# Altium PCB ControllerV3.0.PcbDoc (part 2 of 2)
Units mm, origin at the board's own origin, x right, y up, seen from the top; angles counter-clockwise.
Board outline 52.02 x 50 mm, 6 copper layers (Top, Layer 1, Gnd, Signal, Layer 2, Bottom), stack 1.696 mm thick; 96 components, 87 nets, 385 pads, 235 vias.
Unrouted connection lines stored in the file: 72.
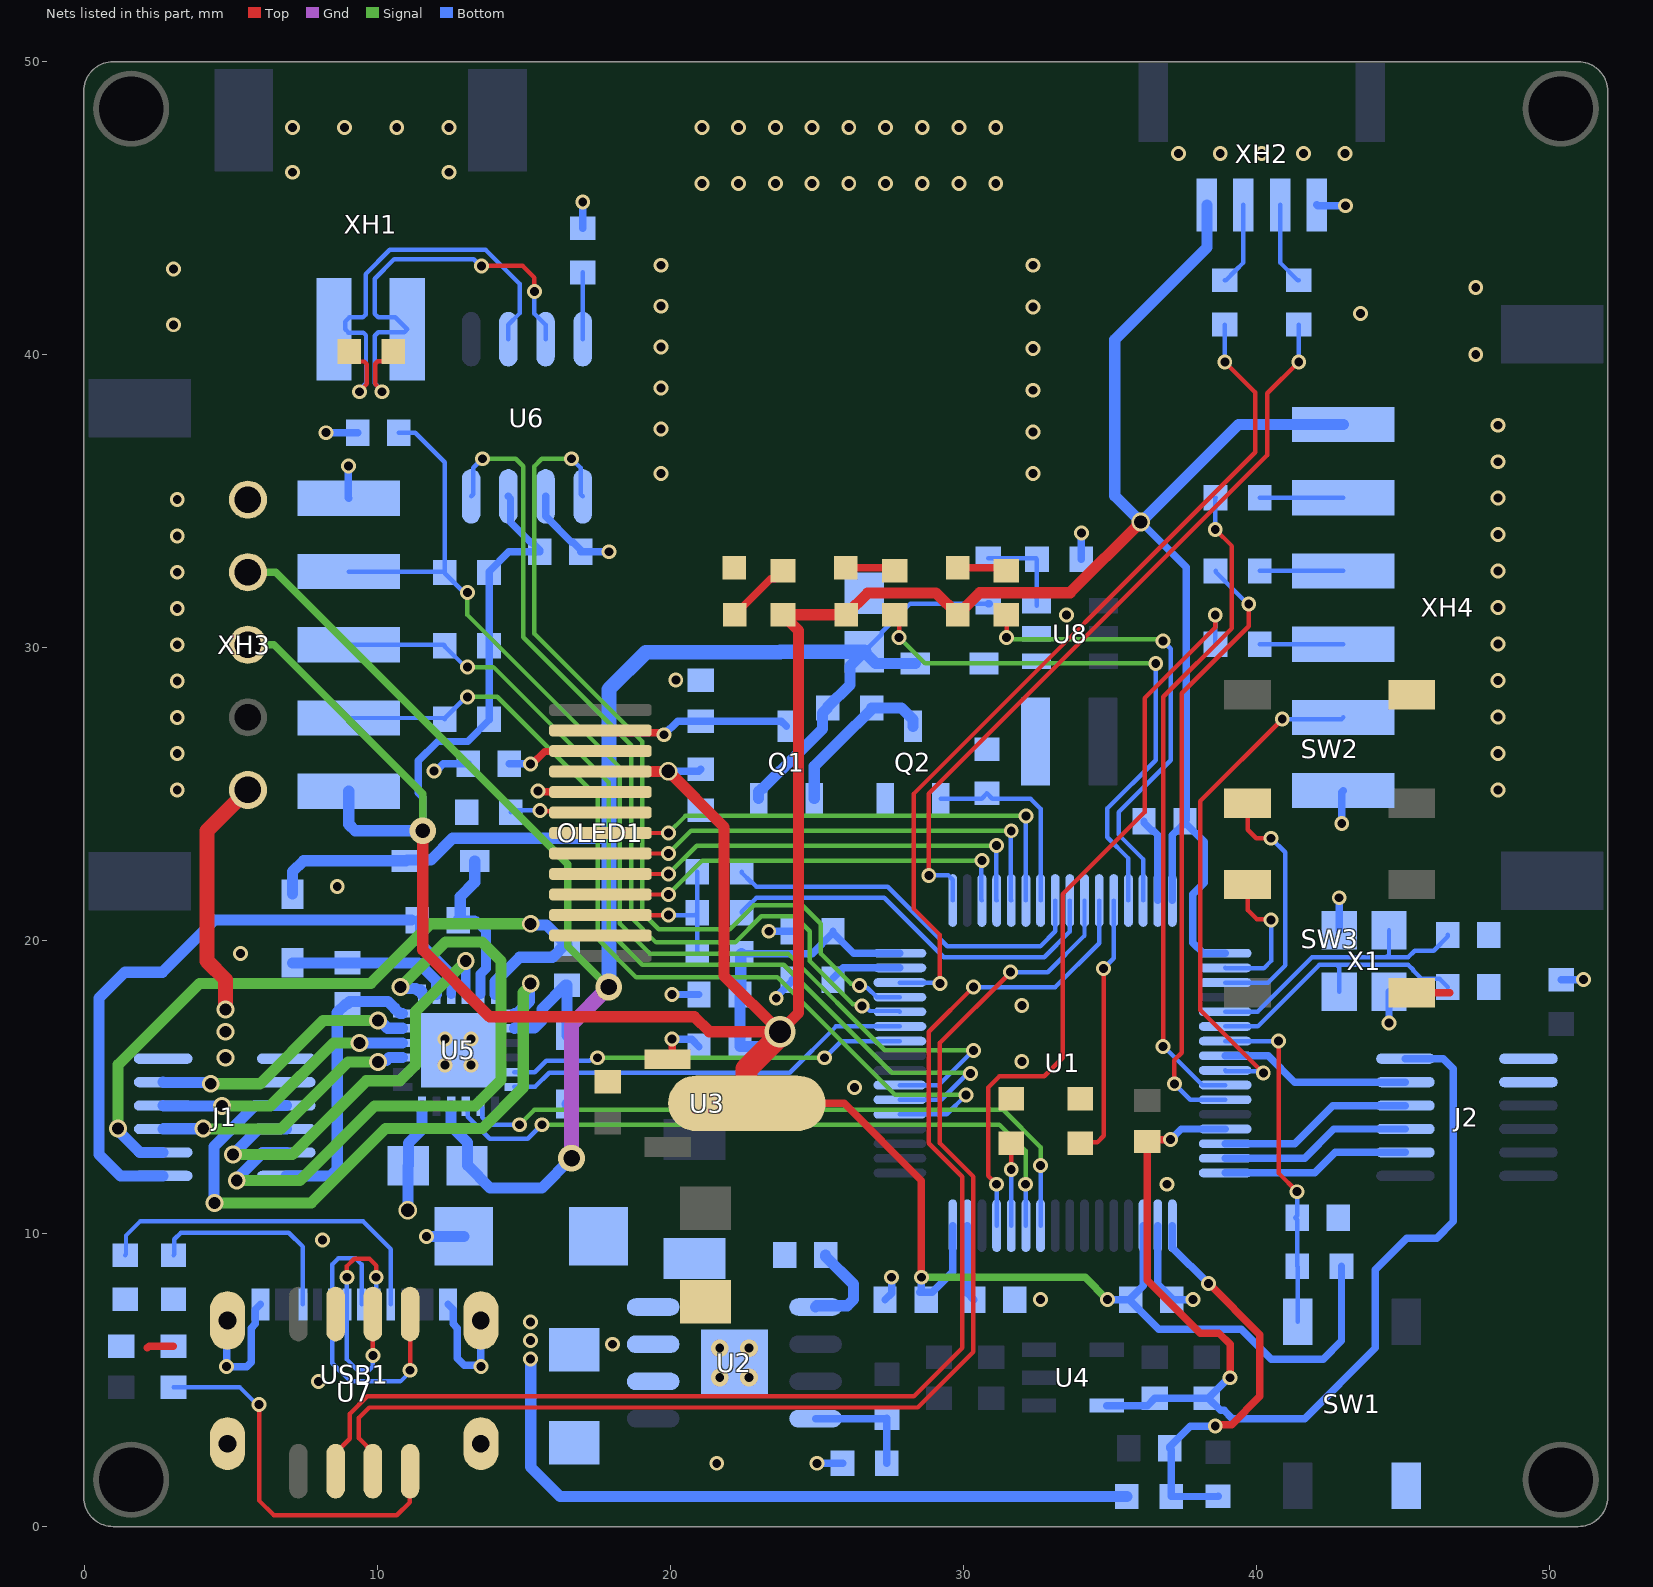
[diagram p6: the nets of this part, all layers, seen from the top]

## Via types
v1: diameter 0.508, hole 0.305, Top to Bottom, tented both sides, 194 vias
v2: diameter 0.61, hole 0.406, Top to Bottom, tented both sides, 20 vias
v3: diameter 0.635, hole 0.457, Top to Bottom, tented both sides, 5 vias
v4: diameter 0.61, hole 0.305, Top to Bottom, tented both sides, 4 vias
v5: diameter 0.7, hole 0.7, Top to Bottom, tented both sides, 4 vias
v6: diameter 0.914, hole 0.559, Top to Bottom, tented both sides, 2 vias
v7: diameter 1.067, hole 0.66, Top to Bottom, tented both sides, 1 vias
v8: diameter 1.168, hole 0.66, Top to Bottom, tented both sides, 1 vias
v9: diameter 0.762, hole 0.508, Top to Bottom, tented both sides, 1 vias
v10: diameter 0.914, hole 0.508, Top to Bottom, tented both sides, 1 vias
v11: diameter 1.067, hole 0.762, Top to Bottom, tented both sides, 1 vias
v12: diameter 1.067, hole 0.559, Top to Bottom, tented both sides, 1 vias

## Nets (pads, with @x,y where several pads share a name; then routed paths per layer and width w, separated by ;. In a path a pad name is that pad's centre, name@x,y a point inside that pad or via, vN(x,y) a via of type N, cw(c..) or ccw(c..) an arc to the next point about the centre after c; other vN are vias at no path point) (continued)
AVCC: C10.1 C11.1 C24.1 J2.6 U1.13 U4.5 | length 37
  Top w0.254: C24.1@36.29,13.143 36.29,8.414 38.1,6.604 38.735,6.604 39.116,6.223 v1(39.116,5.08) ; C24.1@36.29,13.208 v1(37.084,13.208)
  Bottom w0.254: U4.5@34.904,4.13 36.294,4.13 C10.1@36.544,4.38 C11.1@38.372,4.38 ; v1(37.084,13.208) 37.446,13.57 U1.13@38.944,13.57 ; v1(39.116,5.08) 39.072,5.08 C11.1@38.372,4.38 ; J2.6@45.099,15.97 46.387,15.97 46.736,15.621 46.736,10.414 46.165,9.843 45.149,9.843 44.069,8.763 44.069,6.096 41.656,3.683 39.193,3.683 38.914,3.962 38.79,3.962 C11.1@38.372,4.38
BH: U1.42 U5.23 | length 13.6
  Signal w0.152: v1(17.526,16.002) v1(25.273,16.002)
  Bottom w0.152: U5.23@14.682,15.508 15.381,15.508 15.773,15.9 17.259,15.9 17.292,15.934 17.458,15.934 v1(17.526,16.002) ; v1(25.273,16.002) 25.841,16.57 U1.42@27.844,16.57
BL: U1.26 U5.2 | length 23
  Signal w0.152: v1(14.859,13.716) 15.367,14.224 31.369,14.224 32.644,12.949 v1(32.644,12.319)
  Bottom w0.152: U5.2@13.525,14.351 13.589,14.287 13.589,13.97 13.843,13.716 v1(14.859,13.716) ; U1.26@32.644,10.27 v1(32.644,12.319)
BOOT0: R5.1 U1.60 | length 9.1
  Top w0.152: R5.1@34.004,13.09 34.027,13.112 34.575,13.112 34.798,13.335 v1(34.798,19.05)
  Bottom w0.152: v1(34.798,19.05) 35.144,19.396 U1.60@35.144,21.37
BOOT1: R2.1 U1.28 | length 2.8
  Top w0.152: v1(31.644,12.192) R2.1@31.644,13.09
  Bottom w0.152: U1.28@31.644,10.27 v1(31.644,12.192)
CAN1_RX: U1.44 U6.4 | length 31.7
  Signal w0.152: v1(13.589,36.449) 14.732,36.449 14.986,36.195 14.986,30.353 18.669,26.67 18.669,20.79 19.52,19.939 22.225,19.939 23.114,20.828 24.257,20.828 24.765,20.32 24.765,19.304 26.235,17.834 26.479,17.834 v1(26.546,17.767)
  Bottom w0.152: U6.4@13.208,35.164 13.284,35.239 13.284,36.144 v1(13.589,36.449) ; v1(26.546,17.767) 26.642,17.767 26.811,17.598 27.816,17.598 U1.44@27.844,17.57
CAN1_TX: U1.45 U6.1 | length 30.8
  Signal w0.152: v1(16.637,36.449) 15.621,36.449 15.367,36.195 15.367,30.48 19.05,26.797 19.05,26.67 19.05,20.955 19.614,20.391 22.042,20.391 22.86,21.209 24.511,21.209 25.146,20.574 25.146,19.558 26.173,18.531 26.396,18.531 v1(26.464,18.463)
  Bottom w0.152: v1(16.637,36.449) 16.942,36.144 16.942,35.239 U6.1@17.018,35.164 ; v1(26.464,18.463) 26.532,18.395 26.734,18.395 27.059,18.07 U1.45@27.844,18.07
CAN_H: R11.2 U6.7 XH1.2 | length 15.8
  Top w0.152: v1(10.16,38.735) 10.16,38.774 9.932,39.002 9.932,39.692 10.021,39.781 10.221,39.781 R11.2@10.548,40.108 ; v1(13.565,43.029) 14.968,43.029 15.367,42.63 15.367,42.545 15.369,42.543 15.369,42.166 v1(15.367,42.164)
  Bottom w0.152: v1(10.16,38.735) 10.16,38.78 9.912,39.028 9.912,40.646 10.033,40.767 10.93,40.767 XH1.2@11.001,40.838 ; XH1.2@11.029,40.866 10.62,41.275 10.033,41.275 9.916,41.392 9.916,42.594 10.576,43.254 13.298,43.254 13.523,43.029 v1(13.565,43.029) ; v1(15.367,42.164) 15.367,41.402 15.748,41.021 U6.7@15.748,40.528
CAN_L: R11.1 U6.6 XH1.1 | length 15.2
  Top w0.152: R11.1@9.041,40.108 9.041,40.095 9.368,39.768 9.556,39.768 9.645,39.679 9.645,39.002 9.398,38.755 v1(9.398,38.735)
  Bottom w0.152: v1(9.398,38.735) 9.398,38.807 9.619,39.027 9.619,40.667 9.53,40.756 9.02,40.756 8.91,40.866 8.91,41.132 9.053,41.275 9.515,41.275 9.604,41.364 9.604,42.751 10.431,43.578 13.699,43.578 14.859,42.418 14.859,41.408 14.478,41.027 U6.6@14.478,40.528
CH: U1.43 U5.24 | length 14
  Bottom w0.152: U5.24@14.682,15.009 15.39,15.009 15.875,15.494 24.083,15.494 25.659,17.07 U1.43@27.844,17.07
CL: U1.27 U5.3 | length 22.9
  Signal w0.152: v1(15.621,13.716) 31.242,13.716 32.131,12.827 v1(32.131,11.684)
  Bottom w0.152: U5.3@13.025,14.351 13.089,14.287 13.089,13.992 13.847,13.233 15.138,13.233 v1(15.621,13.716) ; v1(32.131,11.684) 32.137,11.678 32.137,10.276 U1.27@32.144,10.27
D+: U7.1 USB1.6 USB1.8 | length 11
  Top w0.152: v1(11.122,5.334) U7.1@11.122,7.254
  Bottom w0.152: USB1.8@8.467,7.582 8.467,5.576 9.09,4.953 10.795,4.953 v1@11.176,5.334 ; USB1.8@8.469,7.584 8.469,8.948 8.679,9.157 9.258,9.157 9.467,8.948 USB1.6@9.467,7.582
D-: U7.2 USB1.5 USB1.7 | length 8.6
  Top w0.152: v1(8.967,8.509) 8.967,8.894 9.217,9.144 9.738,9.144 9.973,8.909 v1@9.973,8.515 ; v1(9.852,5.842) U7.2@9.852,7.254
  Bottom w0.152: v1(8.967,8.509) USB1.7@8.967,7.582 8.967,5.702 9.323,5.346 9.737,5.346 9.852,5.461 v1(9.852,5.842) ; USB1.5@9.967,7.582 v1(9.967,8.509)
DCBUS: C5.1 J1.6 J1.7 J1.8 pad.9 R6.2 U2.7 | length 32.8
  Top w0.508: v2(4.826,17.653) 4.826,18.669 4.191,19.304 4.191,23.749 pad.9@5.588,25.146
  Bottom w0.381: v1(15.24,5.715) 15.24,2.032 16.247,1.025 R6.2@35.592,1.025
  other v1: 18.034,6.223 15.24,6.35 15.24,6.985
  other v2: 4.826,16.002 4.826,16.891
ENC_A: R17.1 U1.37 XH3.2 | length 32.4
  Signal w0.152: v1(13.081,28.321) 14.097,28.321 17.526,24.892 17.526,20.066 18.837,18.755 23.663,18.755 27.686,14.732 v1(30.099,14.732)
  Bottom w0.152: XH3.2@9.029,27.599 12.272,27.599 R17.1@12.312,27.559 12.312,27.588 13.045,28.321 v1(13.081,28.321) ; U1.37@27.844,14.07 29.437,14.07 v1(30.099,14.732)
ENC_B: R18.1 U1.38 XH3.3 | length 33.1
  Signal w0.152: v1(13.081,29.337) 13.97,29.337 17.907,25.4 17.907,20.32 19.05,19.177 23.876,19.177 27.561,15.492 30.228,15.492 v1(30.25,15.47)
  Bottom w0.152: XH3.3@9.029,30.099 12.28,30.099 R18.1@12.312,30.067 12.312,30.038 13.013,29.337 v1(13.081,29.337) ; U1.38@27.844,14.57 29.255,14.57 30.155,15.47 v1(30.25,15.47)
ENC_CS: U1.9 XH4.5 | length 17.6
  Top w0.152: v1(40.247,15.482) 38.1,17.629 38.1,24.765 v1(40.894,27.559)
  Bottom w0.152: U1.9@38.944,15.57 38.972,15.542 40.187,15.542 v1(40.247,15.482) ; v1(40.894,27.559) 42.917,27.559 XH4.5@42.977,27.619
ENC_Z: C29.1 R19.1 U1.39 XH3.4 | length 40.4
  Signal w0.152: v1(13.081,31.877) 13.081,31.115 18.288,25.908 18.288,20.574 19.304,19.558 24.025,19.558 27.327,16.256 v1(30.353,16.256)
  Bottom w0.152: XH3.4@9.029,32.599 12.28,32.599 R19.1@12.312,32.567 ; C29.1@10.733,37.338 11.303,37.338 12.312,36.329 R19.1@12.312,32.567 ; v1(13.081,31.877) 13.013,31.945 12.905,31.945 12.312,32.538 R19.1@12.312,32.567 ; U1.39@27.844,15.07 29.167,15.07 v1(30.353,16.256)
GH_A: J1.9 U5.19 | length 22.1
  Signal w0.381: v2(4.445,11.049) 7.747,11.049 10.287,13.589 13.589,13.589 14.986,14.986 14.986,18.226 15.24,18.48 v2(15.24,18.542)
  Bottom w0.381: v2(4.445,11.049) 4.432,11.062 4.432,12.976 5.827,14.37 J1.9@6.894,14.37 ; U5.19@14.682,17.508 14.774,17.508 15.196,17.931 15.196,18.498 v2(15.24,18.542)
GH_B: J1.10 U5.16 | length 15.1
  Signal w0.381: v2(5.08,12.7) 7.112,12.7 9.627,15.215 10.77,15.215 11.303,15.748 11.303,17.582 v2(13.025,19.304)
  Bottom w0.33: U5.16@13.025,18.166 v2(13.025,19.304)
  Bottom w0.381: v2(5.08,12.7) 5.95,13.57 J1.10@6.894,13.57 ; v2@13.042,19.265 v2@13.081,19.304
GH_C: J1.11 U5.13 | length 21.8
  Signal w0.381: v2(5.207,11.811) 7.366,11.811 9.906,14.351 13.335,14.351 14.224,15.24 14.224,19.304 13.576,19.952 12.332,19.952 v2(10.795,18.415)
  Bottom w0.381: v2(5.207,11.811) 5.251,11.855 5.251,11.921 6.1,12.77 J1.11@6.894,12.77 ; v2(10.795,18.415) 10.839,18.371 11.32,18.371 11.383,18.308 11.475,18.308 11.525,18.258 U5.13@11.525,18.166
GL_A: J1.5 U5.11 | length 9.2
  Signal w0.381: v2(4.318,15.113) 6.001,15.113 8.16,17.272 v2(10.033,17.272)
  Bottom w0.381: J1.5@2.694,15.17 2.709,15.155 4.276,15.155 v2(4.318,15.113) ; v2(10.033,17.272) 10.095,17.272 10.358,17.009 U5.11@10.867,17.009
GL_B: J1.4 U5.10 | length 9.1
  Signal w0.381: v2(4.699,14.351) 6.35,14.351 8.509,16.51 v2(9.398,16.51)
  Bottom w0.381: J1.4@2.694,14.37 2.703,14.36 4.69,14.36 v2(4.699,14.351) ; v2(9.398,16.51) 10.866,16.51 U5.10@10.867,16.508
GL_C: J1.3 U5.9 | length 9.2
  Signal w0.381: v2(4.064,13.589) 4.083,13.57 6.712,13.57 9.004,15.862 v2(10.033,15.862)
  Bottom w0.381: J1.3@2.694,13.57 2.704,13.58 4.055,13.58 v2(4.064,13.589) ; v2(10.033,15.862) 10.077,15.906 10.308,15.906 10.41,16.009 U5.9@10.867,16.009
GND: C2.1 C3.2 C4.2 C5.2 C6.2 C9.2 C12.2 C15.2 C16.2 C18.2 C20.2 C21.2 C22.2 C23.2 C25.2 C26.2 C27.2 C28.2 C29.2 C30.1 C31.2 C32.2 C33.2 D1.2 J2.7 J2.8 LED1.1 OLED1.5 OLED1.12 pad.13 Q2.2 R2.2 R4.1 R5.2 R8.2 R9.1 R10.1 R15.1 R25.1 R26.1 R28.1 SW1.3 SW2.4 SW3.3 U1.18 U1.63 U2.6 U2.9 U3.1 U5.6 U5.25 U6.2 U7.3 U8.2 USB1.1 USB1.12 USB1.13 USB1.14 X1.2 X1.4 XH2.4 XH3.5 XH4.6 | length 45.2
  Top w0.254: 2.159,6.096 2.224,6.161 3.048,6.161 ; v1(15.491,25.101) 15.505,25.088 17.607,25.088 OLED1.5@17.621,25.074 ; U3.1@19.907,15.954 20.066,16.113 v1(20.066,16.637) ; SW3.3@45.847,18.589 45.474,18.216 SW3.3@45.313,18.216 46.609,18.216
  Bottom w0.254: USB1.14@4.892,7.032 4.859,6.999 v1(4.859,5.461) 5.549,5.461 5.697,5.61 5.697,6.773 5.844,6.919 5.844,7.409 USB1.12@6.017,7.582 ; v1(8.255,37.338) C29.2@9.333,37.338 ; v1(9.017,36.195) 9.017,35.111 XH3.5@9.029,35.099 ; v1(11.942,25.785) 12.011,25.785 12.261,26.035 C30.1@13.111,26.035 ; USB1.1@12.417,7.582 12.59,7.409 12.59,6.919 12.736,6.773 12.736,5.751 12.978,5.51 13.493,5.51 v1(13.542,5.461) USB1.13@13.542,7.032 ; U6.2@15.748,35.164 15.748,34.482 16.633,33.597 16.683,33.597 16.956,33.324 C25.2@16.956,33.274 v1(17.907,33.274) ; R8.2@17.018,44.314 v1(17.018,45.212) ; v1(20.066,16.637) 20.731,16.637 C3.2@20.985,16.383 ; v1(20.066,18.161) C4.2@20.985,18.161 ; v1(23.368,20.32) C20.2@24.16,20.32 ; v1(23.622,18.034) 23.622,18.081 24.16,18.619 C15.2@24.16,18.669 ; v1(25.019,2.159) R4.1@25.885,2.159 ; C23.2@27.335,7.742 27.559,7.966 v1(27.559,8.509) ; R26.1@34.027,33.02 34.036,33.029 v1(34.036,33.909) ; C21.2@36.175,24.076 36.175,24.026 36.448,23.753 36.495,23.753 36.644,23.604 U1.63@36.644,21.37 ; U1.18@36.644,10.27 36.644,8.27 37.117,7.797 C22.2@37.117,7.747 v1(37.846,7.747) ; XH2.4@42.07,45.113 42.098,45.085 v1(43.053,45.085) ; X1.4@42.838,20.354 v1(42.838,21.463) ; v1(42.926,24.003) 42.926,25.068 XH4.6@42.977,25.119 ; v1(44.538,17.192) X1.2@44.538,18.254 ; R10.1@50.419,18.66 50.428,18.669 v1(51.181,18.669)
  Bottom w0.381: v3(11.049,10.795) 11.049,12.303 C18.2@11.065,12.319 11.065,13.097 11.525,13.557 U5.6@11.525,14.351 ; v1(11.684,9.906) D1.2@12.954,9.906
  other v1: 21.59,2.159 8.001,4.953 32.639,7.747 8.128,9.779 36.957,11.684 26.289,14.986 12.319,15.748 13.208,15.748 32.004,15.875 12.319,16.637 13.208,16.637 32.004,17.78 5.334,19.558 8.636,21.844 3.175,25.146 48.26,25.146 3.175,26.384 48.26,26.391 3.175,27.622 48.26,27.635 3.175,28.861 48.26,28.88 20.193,28.894 3.175,30.099 48.26,30.124 33.528,31.115 3.175,31.337 48.26,31.369 3.175,32.575 48.26,32.614 3.175,33.814 48.26,33.858 3.175,35.052 48.26,35.103 19.685,35.941 32.385,35.941 48.26,36.347 32.385,37.363 19.685,37.465 48.26,37.592 32.385,38.786 19.685,38.862 47.498,40.005 32.385,40.208 19.685,40.259 3.048,41.021 43.561,41.402 32.385,41.631 19.685,41.656 47.498,42.291 3.048,42.926 19.685,43.053 32.385,43.053 21.082,45.847 22.336,45.847 23.59,45.847 24.844,45.847 26.098,45.847 27.353,45.847 28.607,45.847 29.861,45.847 31.115,45.847 7.112,46.228 12.446,46.228 37.359,46.863 38.777,46.863 40.195,46.863 41.614,46.863 43.032,46.863 7.112,47.752 8.89,47.752 10.668,47.752 12.446,47.752 21.082,47.752 22.336,47.752 23.59,47.752 24.844,47.752 26.098,47.752 27.353,47.752 28.607,47.752 29.861,47.752 31.115,47.752
  other v4: 21.693,5.088 22.693,5.088 21.693,6.088 22.693,6.088
KEY1: SW2.2 U1.3 | length 8.7
  Top w0.152: SW2.2@39.713,24.693 39.713,23.787 40.005,23.495 v1(40.513,23.495)
  Bottom w0.152: U1.3@38.944,18.57 40.414,18.57 40.996,19.152 40.996,23.012 v1(40.513,23.495)
KEY2: SW3.1 U1.2 | length 5.2
  Top w0.152: SW3.1@40.013,21.916 SW3.1@39.713,21.916 39.713,21.044 40.03,20.727 40.487,20.727 v1(40.513,20.701)
  Bottom w0.152: U1.2@38.944,19.07 38.964,19.05 40.259,19.05 40.513,19.304 v1(40.513,20.701)
LED_G: R20.2 U1.61 | length 19
  Top w0.152: R20.2@27.662,31.124 27.813,30.973 v1(27.813,30.353)
  Signal w0.152: v1(27.813,30.353) 28.702,29.464 v1(36.576,29.464)
  Bottom w0.152: U1.61@35.644,21.37 35.644,22.805 34.925,23.524 34.925,24.511 36.576,26.162 v1(36.576,29.464)
LED_R: R16.2 U1.62 | length 16.2
  Top w0.152: v1(31.484,30.353) R16.2@31.484,31.111
  Top w0.254: R16.2@31.472,31.124 R16.2@31.484,31.111
  Signal w0.152: v1(31.484,30.353) 31.548,30.29 36.767,30.29 v1(36.83,30.226)
  Bottom w0.152: U1.62@36.144,21.37 36.144,22.784 35.306,23.622 35.306,24.384 37.084,26.162 37.084,29.959 36.83,30.213 v1(36.83,30.226)
NetC1_1: C1.1 U2.1 | length 3.3
  Bottom w0.381: U2.1@24.965,7.493 25.007,7.535 26.045,7.535 26.257,7.747 26.257,8.27 25.306,9.221 C1.1@25.306,9.271
NetC1_2: C1.2 D1.1 L1.1 U2.8
NetC9_1: C9.1 U1.5 X1.1 | length 9.7
  Bottom w0.152: U1.5@38.944,17.57 38.945,17.571 40.05,17.571 41.91,19.431 44.449,19.431 ; X1.1@44.538,20.354 44.538,19.52 44.449,19.431 ; C9.1@46.544,20.193 46.544,20.143 46.061,19.66 45.417,19.66 45.188,19.431 44.449,19.431
NetC12_1: C12.1 U1.6 X1.3 | length 9.8
  Bottom w0.152: U1.6@38.944,17.07 40.057,17.07 42.164,19.177 42.749,19.177 ; X1.3@42.838,18.254 42.838,19.088 42.749,19.177 ; C12.1@46.544,18.415 46.265,18.694 45.647,18.694 45.364,18.977 45.364,19.001 45.188,19.177 42.749,19.177
NetC15_1: C15.1 U1.47 | length 2.5
  Bottom w0.152: C15.1@25.56,18.669 C15.1@25.56,18.719
  Bottom w0.254: C15.1@25.56,18.719 25.911,19.07 U1.47@27.844,19.07
NetC16_1: C16.1 U1.31 | length 2.6
  Bottom w0.254: U1.31@30.144,10.27 30.144,7.97 C16.1@30.367,7.747
NetC26_1: C26.1 U7.8 | length 13
  Top w0.152: v1(5.969,4.164) 5.969,0.889 6.477,0.381 10.668,0.381 11.109,0.822 11.109,1.876 U7.8@11.122,1.89
  Bottom w0.152: C26.1@3.048,4.761 5.303,4.761 5.9,4.164 v1(5.969,4.164)
NetD5_2: D5.2 L2.2 U8.1
NetLED1_2: LED1.2 R1.1 | length 2.3
  Top w0.254: LED1.2@22.201,31.128 23.427,32.354 23.576,32.354 R1.1@23.852,32.63
NetLED2_1: LED2.1 R16.1 | length 1.7
  Top w0.254: LED2.1@29.816,32.728 31.374,32.728 R16.1@31.472,32.63
NetLED3_1: LED3.1 R20.1 | length 1.7
  Top w0.254: LED3.1@26.001,32.728 27.564,32.728 R20.1@27.662,32.63
NetOLED1_6: OLED1.6 R25.2 | length 3.1
  Top w0.152: v1(15.554,24.444) 15.589,24.409 17.586,24.409 OLED1.6@17.621,24.374
  Bottom w0.152: R25.2@14.564,24.384 14.624,24.444 v1(15.554,24.444)
NetQ1_1: Q1.1 Q2.3 R27.2 | length 5.7
  Bottom w0.381: Q1.1@24.921,24.848 24.921,25.954 25.793,26.826 25.799,26.826 26.883,27.911 R27.2@26.883,27.94 27.902,27.94 28.289,27.553 Q2.3@28.289,27.318
NetR3_1: R3.1 R4.2 U2.4 | length 4
  Bottom w0.152: R4.2@27.391,2.159 R4.2@27.4,2.168 ; R3.1@27.391,3.683 R3.1@27.4,3.692
  Bottom w0.254: U2.4@24.965,3.683 R3.1@27.391,3.683 ; R4.2@27.4,2.168 R3.1@27.4,3.692
NetR8_1: R8.1 U6.8 | length 2.3
  Bottom w0.152: U6.8@17.018,40.528 R8.1@17.018,42.808
NetR9_2: R9.2 USB1.10 | length 7.2
  Bottom w0.152: R9.2@3.048,9.262 3.074,9.288 3.074,9.805 3.302,10.033 6.985,10.033 7.467,9.551 USB1.10@7.467,7.582
NetR13_2: R13.2 XH2.2 | length 2.9
  Bottom w0.152: R13.2@38.933,42.536 38.962,42.536 39.289,42.863 39.57,43.144 XH2.2@39.57,45.113
NetR14_2: R14.2 XH2.3 | length 2.9
  Bottom w0.152: XH2.3@40.82,45.113 40.82,43.144 41.428,42.536 R14.2@41.457,42.536
NetR15_2: R15.2 USB1.4 | length 12.2
  Bottom w0.152: R15.2@1.397,9.262 1.426,9.291 1.426,9.935 1.905,10.414 9.525,10.414 10.467,9.472 USB1.4@10.467,7.582
NetR21_2: R21.2 XH4.2 | length 2.9
  Bottom w0.152: R21.2@40.123,35.119 XH4.2@42.977,35.119
NetR22_2: R22.2 XH4.3 | length 2.9
  Bottom w0.152: R22.2@40.123,32.619 XH4.3@42.977,32.619
NetR23_2: R23.2 XH4.4 | length 2.9
  Bottom w0.152: R23.2@40.123,30.119 XH4.4@42.977,30.119
NetR24_1: R24.1 R26.2 U8.3 | length 3.3
  Bottom w0.152: R24.1@30.861,33.049 32.492,33.049 R26.2@32.521,33.02 32.521,31.441 U8.3@32.51,31.43
NRST: C28.1 R12.1 SW1.1 U1.7 | length 11.7
  Top w0.152: v1(40.767,16.57) 40.767,12.065 v1(41.402,11.43)
  Bottom w0.152: U1.7@38.944,16.57 v1(40.767,16.57) ; v1(41.402,11.43) 41.402,10.606 41.337,10.541 41.411,10.467 R12.1@41.411,8.89 41.425,8.876 SW1.1@41.425,6.991
OLED_BLK: Q2.1 R28.2 U1.55 | length 6.8
  Bottom w0.152: Q2.1@29.239,24.848 30.633,24.848 R28.2@30.813,25.028 30.993,24.848 32.302,24.848 32.644,24.506 U1.55@32.644,21.37
OLED_CS: OLED1.7 U1.54 | length 17.6
  Top w0.152: OLED1.7@17.621,23.674 v1(19.939,23.674)
  Signal w0.152: v1(19.939,23.674) 20.522,24.257 v1@32.131,24.257
  Bottom w0.152: v1@32.131,24.257 32.137,24.251 32.137,21.377 U1.54@32.144,21.37
  other v1: 32.144,24.257
OLED_DC: OLED1.9 U1.52 | length 15.8
  Top w0.152: OLED1.9@17.621,22.274 v1(19.939,22.274)
  Signal w0.152: v1(19.939,22.274) 20.906,23.241 v1@31.115,23.241
  Bottom w0.152: v1@31.115,23.241 31.13,23.226 31.13,21.384 U1.52@31.144,21.37
  other v1: 31.144,23.241
OLED_RES: OLED1.8 U1.53 | length 16.7
  Top w0.152: OLED1.8@17.621,22.974 v1(19.939,22.974)
  Signal w0.152: v1(19.939,22.974) 20.714,23.749 v1@31.623,23.749
  Bottom w0.152: v1@31.623,23.749 31.634,23.738 31.634,21.38 U1.53@31.644,21.37
  other v1: 31.644,23.749
SDA: OLED1.11 R29.1 R30.2 R31.2 | length 6.1
  Top w0.152: OLED1.11@17.621,20.874 v1(19.939,20.874)
  Bottom w0.152: v1(19.939,20.874) 20.851,20.874 R31.2@20.932,20.955 ; R29.1@20.932,19.558 R31.2@20.932,20.955 ; R30.2@20.932,22.352 R31.2@20.932,20.955
SH_A: C13.1 J1.2 U5.18 | length 25.1
  Signal w0.381: v2(1.156,13.589) 1.156,15.761 3.937,18.542 9.779,18.542 11.811,20.574 v2(15.24,20.574)
  Bottom w0.381: v2(1.156,13.589) 1.199,13.545 1.199,13.471 1.9,12.77 J1.2@2.694,12.77 ; U5.18@14.025,18.166 14.025,18.597 14.859,19.431 15.982,19.431 C13.1@16.428,19.877 ; v2(15.24,20.574) 15.284,20.53 15.775,20.53 C13.1@16.428,19.877 ; C13.1@16.478,19.877 C13.1@16.428,19.877
SH_B: C17.1 J1.1 U5.15 | length 22.6
  Bottom w0.33: C17.1@11.365,20.701 11.451,20.615 11.451,19.949 12.525,18.875 U5.15@12.525,18.166
  Bottom w0.381: J1.1@2.694,11.97 1.238,11.97 0.508,12.7 0.508,18.034 1.397,18.923 2.667,18.923 4.445,20.701 C17.1@11.176,20.701
SH_C: C19.1 J1.12 U5.12 | length 9.7
  Bottom w0.381: J1.12@6.894,11.97 8.413,11.97 8.636,12.193 8.636,17.543 8.935,17.842 C19.1@8.985,17.842 9.063,17.92 10.374,17.92 10.597,17.697 10.597,17.687 10.776,17.508 U5.12@10.867,17.508
SO_A: J2.2 U1.16 | length 6.4
  Bottom w0.254: U1.16@38.944,12.07 42.01,12.07 42.71,12.77 J2.2@45.099,12.77
SO_B: J2.3 U1.15 | length 6.6
  Bottom w0.254: U1.15@38.944,12.57 41.659,12.57 42.659,13.57 J2.3@45.099,13.57
SO_C: J2.4 U1.14 | length 6.7
  Bottom w0.254: U1.14@38.944,13.07 41.318,13.07 42.618,14.37 J2.4@45.099,14.37
SPI2_MISO: R21.1 U1.10 | length 22.6
  Top w0.152: v1(36.83,16.383) 36.83,28.321 39.176,30.667 39.176,33.468 v1(38.608,34.036)
  Bottom w0.152: v1(36.83,16.383) 36.846,16.383 38.159,15.07 U1.10@38.944,15.07 ; v1(38.608,34.036) 38.608,35.11 R21.1@38.617,35.119
SPI2_MOSI: R22.1 U1.11 | length 21
  Top w0.152: v1(37.211,15.113) 37.211,15.923 37.465,16.177 37.465,28.448 39.751,30.734 v1(39.751,31.496)
  Bottom w0.152: v1(37.211,15.113) 37.754,14.57 U1.11@38.944,14.57 ; R22.1@38.617,32.619 38.617,32.59 39.711,31.496 v1(39.751,31.496)
SPI2_SCK: R23.1 U1.29 | length 26.1
  Top w0.152: v1(31.144,11.684) 30.861,11.967 30.861,14.986 31.242,15.367 32.766,15.367 33.401,16.002 33.401,21.59 36.195,24.384 36.195,28.274 38.608,30.687 v1(38.608,31.115)
  Bottom w0.152: U1.29@31.144,10.27 v1(31.144,11.684) ; v1(38.608,31.115) 38.608,30.128 R23.1@38.617,30.119
SPI3_MISO: R30.1 U1.56 | length 13
  Bottom w0.152: R30.1@22.438,22.352 22.438,22.323 22.765,21.996 22.794,21.996 22.946,21.844 27.432,21.844 29.464,19.812 32.639,19.812 33.144,20.317 U1.56@33.144,21.37
SPI3_MOSI: R31.1 U1.57 | length 13.7
  Bottom w0.152: R31.1@22.438,20.955 22.438,20.984 22.765,21.311 22.794,21.311 22.946,21.463 27.305,21.463 29.337,19.431 32.766,19.431 33.644,20.309 U1.57@33.644,21.37
SPI3_SCK: OLED1.10 U1.51 | length 14.8
  Top w0.152: OLED1.10@17.621,21.574 v1(19.939,21.574)
  Signal w0.152: v1(19.939,21.574) 21.098,22.733 v1@30.607,22.733
  Bottom w0.152: v1@30.607,22.733 30.625,22.715 30.625,21.389 U1.51@30.644,21.37
  other v1: 30.644,22.733
SWC: R14.1 U1.49 | length 25.6
  Top w0.152: v1(28.829,22.225) 28.829,25.019 40.386,36.576 40.386,38.68 v1(41.457,39.751)
  Bottom w0.152: v1(28.829,22.225) 29.499,22.225 29.644,22.08 U1.49@29.644,21.37 ; v1(41.457,39.751) R14.1@41.457,41.03
SWD: R13.1 U1.46 | length 29.5
  Top w0.152: v1(29.21,18.542) 29.21,20.193 28.321,21.082 28.321,25.019 39.973,36.671 39.973,38.711 v1(38.933,39.751)
  Bottom w0.152: U1.46@27.844,18.57 27.858,18.556 29.196,18.556 v1(29.21,18.542) ; v1(38.933,39.751) R13.1@38.933,41.03
TEMP_S: J2.5 U1.8 | length 6.5
  Bottom w0.254: U1.8@38.944,16.07 40.413,16.07 41.313,15.17 J2.5@45.099,15.17
USART1_RX: U1.59 U7.6 | length 43.8
  Top w0.152: U7.6@8.582,1.89 8.582,2.514 9.061,2.993 9.061,3.843 9.663,4.445 28.321,4.445 29.972,6.096 29.972,11.938 28.829,13.081 28.829,16.891 v1(30.353,18.415)
  Bottom w0.152: v1(30.353,18.415) 33.147,18.415 34.644,19.912 U1.59@34.644,21.37
USART1_TX: U1.58 U7.7 | length 42.6
  Top w0.152: U7.7@9.852,1.89 9.852,2.54 9.377,3.015 9.377,3.716 9.725,4.064 28.448,4.064 30.353,5.969 30.353,11.938 29.21,13.081 29.21,16.51 v1(31.623,18.923)
  Bottom w0.152: v1(31.623,18.923) 32.893,18.923 34.144,20.174 U1.58@34.144,21.37
VB_A: C13.2 D2.1 U5.20 | length 4.3
  Bottom w0.381: U5.20@14.682,17.009 14.699,17.026 15.375,17.026 15.621,17.272 15.621,17.67 16.428,18.477 C13.2@16.478,18.477 D2.1@16.478,16.767
VB_B: C17.2 D3.1 U5.17 | length 5.6
  Bottom w0.33: C17.2@12.765,20.701 13.335,20.701 13.716,20.32 13.716,19.05 13.525,18.859 U5.17@13.525,18.166
  Bottom w0.381: C17.2@12.765,20.701 12.837,20.773 12.837,21.499 13.331,21.994 13.331,22.716 D3.1@13.333,22.717
VB_C: C19.2 D4.1 U5.14 | length 5.6
  Bottom w0.381: D4.1@7.112,19.242 11.406,19.242 12.025,18.624 U5.14@12.025,18.166
VBUS_S: C14.1 R6.1 R7.2 U1.17 | length 14.2
  Top w0.254: v1(38.379,8.301) 40.132,6.549 40.132,4.445 39.165,3.478 38.657,3.478 v1(38.608,3.429)
  Bottom w0.254: U1.17@37.144,10.27 37.144,9.52 38.363,8.301 v1(38.379,8.301) ; v1(38.608,3.429) 37.757,3.429 37.054,2.726 C14.1@37.054,2.676 37.099,2.63 R6.1@37.099,1.025 38.694,1.025 R7.2@38.703,1.033
VCC: C3.1 C4.1 C20.1 C21.1 C22.1 C23.1 C25.1 C33.1 LED2.2 LED3.2 OLED1.4 pad.11 R1.2 R12.2 R17.2 R18.2 R19.2 R29.2 U1.1 U1.19 U1.32 U1.48 U1.64 U3.2 U6.3 XH2.1 XH3.1 XH4.1 | length 176.9
  Top w0.254: U3.2@22.606,14.432 U3.2@22.619,14.445 U3.2@24.729,14.445 ; U3.2@24.798,14.445 U3.2@24.729,14.445 ; v1(28.575,8.509) 28.575,11.811 25.941,14.445 U3.2@24.729,14.445
  Top w0.381: v10(11.557,23.749) 11.557,19.685 13.843,17.399 20.828,17.399 21.336,16.891 v11(23.749,16.891) ; OLED1.4@17.621,25.774 v3@19.932,25.774 ; v3(19.939,25.781) 21.844,23.876 21.844,18.796 v11(23.749,16.891) ; v3(36.068,34.29) 33.655,31.877 30.57,31.877 LED2.2@29.821,31.128 29.079,31.87 26.748,31.87 LED3.2@26.006,31.128 26.004,31.126 23.854,31.126 R1.2@23.852,31.124 23.881,31.124 24.094,30.911 24.094,30.882 24.384,30.592 24.384,17.526 v11(23.749,16.891)
  Top w0.508: U3.2@22.606,14.459 U3.2@22.619,14.445
  Top w0.762: U3.2@22.606,14.459 22.606,15.621 v11@23.703,16.718
  Signal w0.254: pad.11@5.588,30.099 6.477,30.099 11.557,25.019 v10(11.557,23.749) ; v1(28.575,8.509) 34.163,8.509 v1(34.925,7.747)
  Bottom w0.254: v10(11.557,23.749) 11.557,24.891 11.408,25.04 11.408,26.14 12.065,26.797 13.085,26.797 13.818,27.53 R17.2@13.818,27.559 R18.2@13.818,30.067 R19.2@13.818,32.567 13.818,32.596 14.497,33.274 C25.1@15.556,33.274 15.556,33.324 15.283,33.597 15.233,33.597 14.55,34.28 14.55,35.092 U6.3@14.478,35.164 ; v3(19.939,25.781) 20.985,25.781 C33.1@21.05,25.846 ; R29.2@22.438,19.558 24.848,19.558 C20.1@25.56,20.27 ; C20.1@25.56,20.32 C20.1@25.56,20.27 ; U1.48@27.844,19.57 26.26,19.57 C20.1@25.56,20.27 ; v1(28.575,8.509) 28.575,8.05 28.526,8.001 28.944,8.001 29.644,8.701 U1.32@29.644,10.27 ; v1(34.925,7.747) C22.1@35.717,7.747 35.717,7.697 36.683,6.731 39.497,6.731 40.513,5.715 42.291,5.715 42.917,6.341 R12.2@42.917,8.89 ; C22.1@35.717,7.797 36.144,8.224 U1.19@36.144,10.27 ; v3(36.068,34.29) 37.617,32.741 37.617,24.118 C21.1@37.575,24.076 ; U1.64@37.144,21.37 37.144,23.604 37.293,23.753 37.302,23.753 37.575,24.026 38.227,23.374 38.227,21.971 37.846,21.59 37.846,19.93 38.206,19.57 U1.1@38.944,19.57
  Bottom w0.381: XH3.1@9.029,25.099 9.029,23.972 9.252,23.749 v10(11.557,23.749) ; R29.2@22.438,19.558 22.412,19.531 22.412,18.188 C4.1@22.385,18.161 C3.1@22.385,16.383 23.209,16.383 23.717,16.891 v11(23.749,16.891) ; XH2.1@38.32,45.113 38.32,43.654 35.179,40.513 35.179,35.179 v3(36.068,34.29) 39.397,37.619 XH4.1@42.977,37.619
VCC_10V: C18.1 C31.1 D2.2 D3.2 D4.2 D5.1 pad.12 Q1.2 R24.2 R27.1 U5.4 | length 79.6
  Gnd w0.508: v6(16.637,12.573) 16.637,17.145 v6(17.907,18.415)
  Signal w0.254: pad.12@5.588,32.575 6.54,32.575 16.51,22.606 16.51,19.812 v6(17.907,18.415)
  Bottom w0.152: C31.1@26.622,29.861 27.221,30.46 27.221,30.523 28.203,31.505 R24.2@30.861,31.505
  Bottom w0.254: R24.2@30.861,31.505 R24.2@30.89,31.505
  Bottom w0.381: D4.2@7.112,21.587 7.112,22.352 7.485,22.725 10.98,22.725 D3.2@10.987,22.717 11.028,22.758 11.836,22.758 12.573,23.495 17.907,23.495 ; U5.4@12.525,14.351 12.525,13.668 13.081,13.112 13.081,12.319 13.095,12.319 13.857,11.557 15.621,11.557 v6(16.637,12.573) 16.637,14.262 D2.2@16.478,14.421 ; Q1.2@23.021,24.848 23.021,25.083 23.13,25.192 23.16,25.192 24.408,26.44 24.413,26.44 25.204,27.231 25.204,27.767 R27.1@25.377,27.94 25.377,27.969 26.137,28.73 26.137,29.376 C31.1@26.622,29.861 27.019,29.464 D5.1@28.37,29.464
  Bottom w0.508: v6(16.637,12.573) v6@16.637,12.683 ; v6(17.907,18.415) 17.907,23.495 17.907,28.575 19.177,29.845 23.749,29.845 23.765,29.861 C31.1@26.622,29.861
VCOMH: C30.2 OLED1.3 | length 3.3
  Top w0.254: v1(15.24,26.035) 15.295,26.035 15.716,26.457 17.604,26.457 OLED1.3@17.606,26.459
  Bottom w0.254: C30.2@14.511,26.035 v1(15.24,26.035)
VPP: C32.1 OLED1.2 Q1.3 | length 6.7
  Top w0.254: OLED1.2@17.621,27.174 17.694,27.101 19.646,27.101 19.72,27.027 v1(19.788,27.027)
  Bottom w0.254: v1(19.788,27.027) 20.255,27.494 23.798,27.494 23.971,27.321 Q1.3@23.971,27.318
pads on no net: OLED1.1 OLED1.13 SW1.2 SW1.4 SW2.1 SW2.3 SW3.2 SW3.4 U1.4 U1.20 U1.21 U1.22 U1.23 U1.24 U1.25 U1.30 U1.33 U1.35 U1.36 U1.40 U1.50 U2.2 U2.3 U2.5 U4.4 U5.5 U5.7 U5.8 U5.21 U6.5 U7.4 U8.6 USB1.3 USB1.9 XH1.0 XH2.5 XH2.6 XH3.0 XH4.0
copper on no net:
  other v5: 3.544,11.07 45.949,11.07 3.544,16.87 45.949,16.87

## Polygon pours and split planes (outlines as drawn)
GND on Bottom "GND_L06_P035" (solid, remove dead copper, pour order 35): -2.413,52.07 -2.413,-2.286 54.737,-2.286 54.483,-2.032 54.483,51.689
DCBUS on Bottom "Bottom-DCBUS" (solid, remove dead copper, pour order 14): 5.08,14.732 8.001,14.732 8.001,18.034 1.143,18.034 1.143,15.621 5.08,15.621
DCBUS on Bottom "DCBUS_L06_P030" (solid, remove dead copper, pour order 30): 14.859,7.366 17.653,7.366 18.415,6.604 20.701,6.604 20.701,5.588 18.288,5.588 17.78,5.08 14.859,5.08
5V on Bottom "5V_L06_P025" (solid, remove dead copper, pour order 25): 18.415,11.176 22.352,11.176 22.352,14.224 18.415,14.224
NetC1_2 on Bottom "NETC1_2_L06_P024" (solid, remove dead copper, pour order 24): 16.51,10.922 16.51,7.747 17.907,7.747 18.542,7.112 23.368,7.112 24.511,8.255 24.511,10.033 19.685,10.033 18.796,10.922
5V on Bottom "5V_L06_P000" (solid, remove dead copper, pour order 0): 34.036,32.004 34.036,29.972 35.433,29.972 35.433,28.575 34.036,28.575 34.036,25.273 35.306,25.273 35.306,26.162 36.068,26.162 36.068,32.004
NetD5_2 on Bottom "NETD5_2_L06_P006" (solid, remove dead copper, pour order 6): 30.099,29.972 30.099,28.956 31.877,28.956 31.877,25.273 33.02,25.273 33.02,29.972
AGND on Bottom "AGND_L06_P021" (solid, remove dead copper, pour order 21): 47.371,14.732 47.371,10.922 52.451,10.922 52.451,14.732
GND on Top "GND_L01_P036" (solid, remove dead copper, pour order 36): -2.413,52.07 -2.413,-2.032 -1.905,-2.54 54.61,-2.54 54.61,51.816
DCBUS on Top "Top-DCBUS" (solid, remove dead copper, pour order 29): 13.589,9.398 14.859,8.128 14.859,5.08 18.288,5.08 18.288,8.128 15.875,10.541 15.875,13.208 11.144,13.208 6.318,18.034 1.143,18.034 1.143,15.621 5.302,15.621 9.62,11.303 13.589,11.303
5V on Top "5V_L01_P027" (solid, remove dead copper, pour order 27): 18.415,13.288 18.415,11.557 19.558,11.557 20.32,10.795 20.32,10.128 20.314,10.122 20.316,10.12 22.074,10.12 22.074,11.581 22.074,13.288
GND on Gnd "GND_L03_P013" (solid, remove dead copper, pour order 13): -2.413,51.943 -2.413,-2.413 54.61,-2.413 54.61,51.816
AGND on Gnd "AGND_L03_P011" (solid, remove dead copper, pour order 11): 28.194,-0.635 28.194,5.08 31.877,8.763 34.29,8.763 36.068,10.541 36.068,15.24 36.83,16.002 52.959,16.002 52.959,-0.635
GND on Layer 1 "GND_L02_P037" (solid, remove dead copper, pour order 37): -1.397,50.927 -1.397,-1.016 53.975,-1.016 54.356,-0.635 54.356,51.054
GND on Layer 2 "GND_L05_P038" (solid, remove dead copper, pour order 38): -1.905,51.562 -1.905,-1.905 -1.778,-1.778 53.848,-1.778 53.848,51.308

## Other copper
Gnd:
  pour cut-out: 42.062,21.082 42.062,17.526 45.212,17.526 45.212,21.082
Bottom:
  pour cut-out: 42.129,21.082 42.129,17.526 45.279,17.526 45.279,21.082

## Silkscreen, mask and mechanical layers (free items; w line width, h text height)
Top Overlay:
  drawing of 22 lines, arcs and shapes, not listed
  text "CL" at 6.852,48.409 h1.14
  text "CH" at 11.391,48.409 h1.14
  text "3V3" at 35.041,48.41 h1.14
  text "SWD" at 37.554,48.401 h1.14
  text "SWC" at 40.857,48.401 h1.14
  text "G" at 44.076,48.401 h1.14
  text "CAN" at 7.927,44.728 h2.03
  text "SWD" at 38.184,44.728 h2.03
  text "CAN RES" at 7.53,37.733 h1.14
  text "3V3" at 49.261,37.138 h1.52
  text "G" at 6.734,34.685 h1.14
  text "MI" at 50.248,34.666 h1.52
  text "G" at 0.457,34.611 h1.52
  text "10V" at 6.734,32.145 h1.14
  text "MO" at 49.533,32.157 h1.52
  text "Z" at 0.457,32.119 h1.52
  text "XJRC" at 34.527,31.678 h4.57
  text "3V3" at 6.734,29.732 h1.14
  text "SCK" at 48.751,29.648 h1.52
  text "B" at 0.457,29.626 h1.52
  text "5V" at 6.734,27.192 h1.14
  text "A" at 0.457,27.134 h1.52
  text "CS" at 49.816,27.14 h1.52
  text "VBUS" at 6.734,24.779 h1.14
  text "G" at 50.665,24.631 h1.52
  text "3V3" at 0.457,24.618 h1.52
  text "ABZ" at 0.944,21.844 h2.03
  text "SPI" at 48.283,21.741 h2.03
  text "0.78 OLED 128*80" at 25.671,18.306 h1.52
  text "BT1" at 30.8,15.609 h1.14
  text "BT0" at 33.102,15.623 h1.14
  text "USART" at 6.098,8.914 h2.03
  text "BLAZER FOC" at 28.219,8.682 h3.81
  text "V2.1" at 46.157,5.842 h2.03
  text "Control" at 33.917,5.495 h3.05
  text "RST" at 37.257,0.913 h2.03
Bottom Overlay:
  rectangle: 30.941,13.288 35.941,18.288
  text "JLCJLCJLCJLC" at 46.497,35.745 h1.27 r270
  text "0Ω" at 51.066,19.687 h1.14
  text "8M" at 41.891,18.814 h1.52
Mechanical 1:
  circle w0.254: c26,39.2 r5.3
  lines w0.254: 50.984,0 0.984,0 cw(c0.984,1) -0.016,1 -0.016,49 cw(c0.984,49) 0.984,50 51,50 cw(c51,49) 52,49 52,1 cw(c51,1) 51,0